# Altium PCB RFMC.PcbDoc (part 5 of 5)
Units mm, origin at the board's own origin, x right, y up, seen from the top; angles counter-clockwise.
Board outline 79.47 x 143.38 mm, 8 copper layers (Top Layer, Layer 1, Layer 2, Layer 3, Layer 4, Layer 5, Layer 6, Bottom Layer), stack 1.644 mm thick; 295 components, 245 nets, 1444 pads, 1952 vias.
Unrouted connection lines stored in the file: 1.
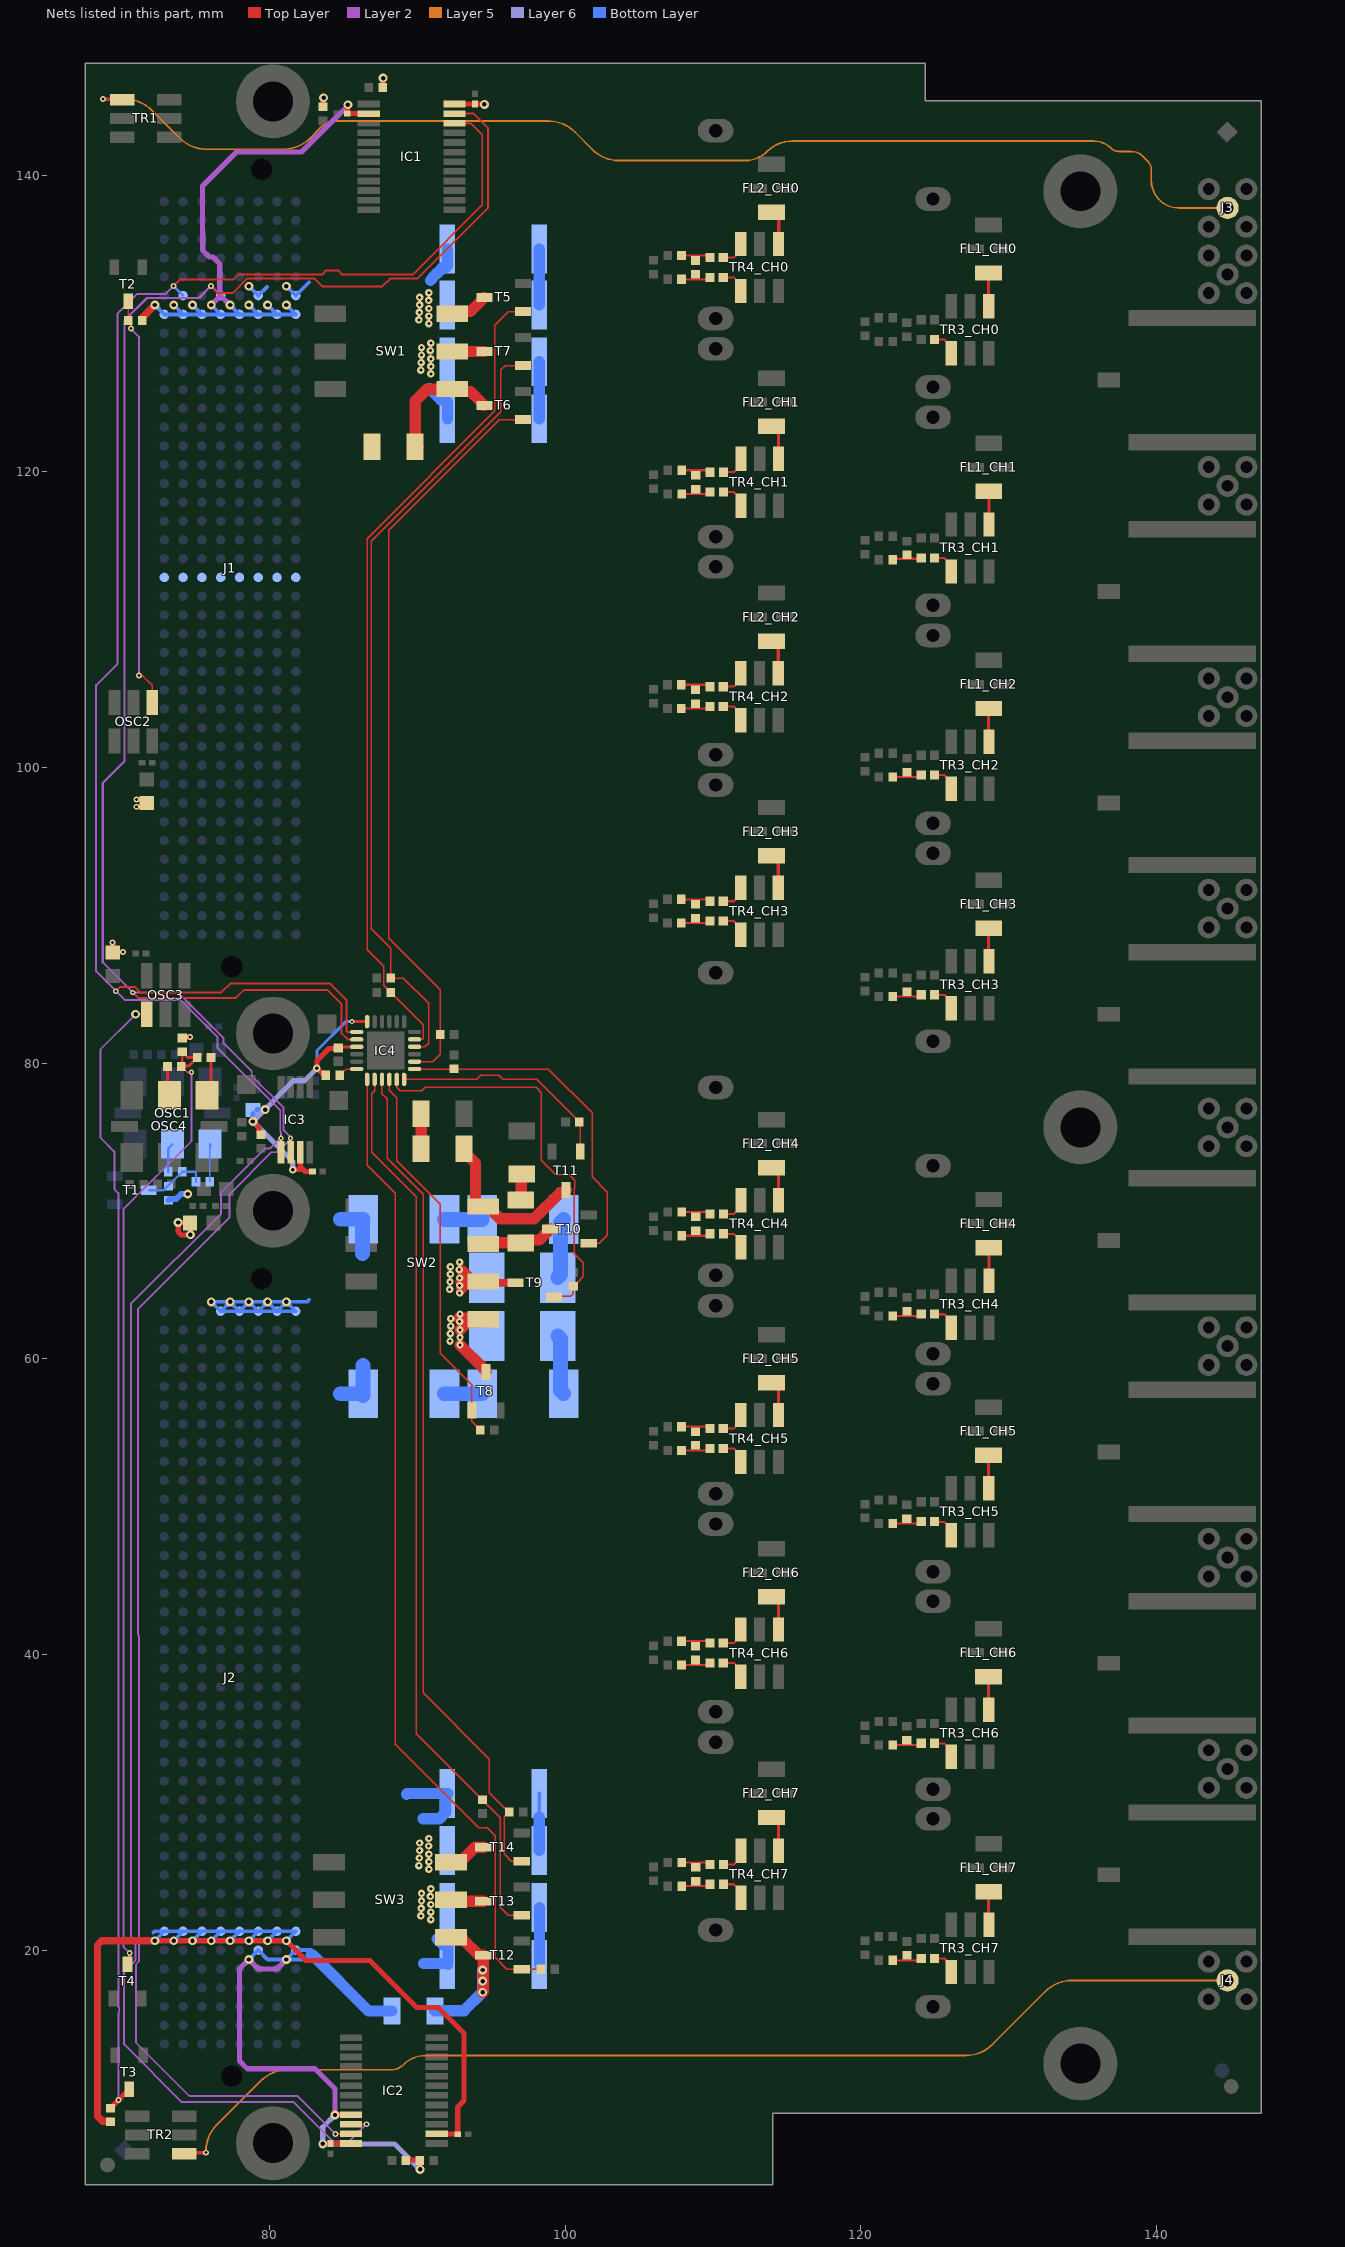
[diagram p11: the nets of this part, all layers, seen from the top]

## Via types
v1: diameter 0.48, hole 0.25, Top Layer to Bottom Layer, tented both sides, 1389 vias
v2: diameter 0.6, hole 0.3, Top Layer to Bottom Layer, tented both sides, 219 vias
v3: diameter 0.5, hole 0.2, Top Layer to Bottom Layer, tented both sides, 162 vias
v4: diameter 0.35, hole 0.15, Top Layer to Bottom Layer, tented both sides, 106 vias
v5: diameter 0.4, hole 0.2, Top Layer to Bottom Layer, tented both sides, 67 vias
v6: diameter 0.5, hole 0.25, Top Layer to Bottom Layer, tented both sides, 9 vias

## Nets (pads, with @x,y where several pads share a name; then routed paths per layer and width w, separated by ;. In a path a pad name is that pad's centre, name@x,y a point inside that pad or via, vN(x,y) a via of type N, cw(c..) or ccw(c..) an arc to the next point about the centre after c; other vN are vias at no path point) (continued)
NetC22_CH0_2: C22_CH0.2 TR3_CH0.3 | length 1.8
  Top Layer w0.14: C22_CH0.2@124.97,128.895 125.64,128.895 126.105,128.43 126.105,128.126 TR3_CH0.3@126.105,127.985
NetC22_CH1_1: C22_CH1.1 R18_CH1.1 R20_CH1.2 | length 1.9
  Top Layer w0.14: R20_CH1.2@122.165,114.09 C22_CH1.1@124.095,114.09
NetC22_CH1_2: C22_CH1.2 TR3_CH1.3 | length 1.8
  Top Layer w0.14: C22_CH1.2@124.975,114.135 125.645,114.135 126.11,113.67 126.11,113.366 TR3_CH1.3@126.11,113.225
NetC22_CH2_1: C22_CH2.1 R18_CH2.1 R20_CH2.2 | length 1.9
  Top Layer w0.14: R20_CH2.2@122.15,99.34 C22_CH2.1@124.08,99.34
NetC22_CH2_2: C22_CH2.2 TR3_CH2.3 | length 1.8
  Top Layer w0.14: C22_CH2.2@124.975,99.46 125.645,99.46 126.11,98.995 126.11,98.691 TR3_CH2.3@126.11,98.55
NetC22_CH3_1: C22_CH3.1 R18_CH3.1 R20_CH3.2 | length 1.9
  Top Layer w0.14: R20_CH3.2@122.15,84.49 C22_CH3.1@124.08,84.49
NetC22_CH3_2: C22_CH3.2 TR3_CH3.3 | length 1.8
  Top Layer w0.14: C22_CH3.2@124.975,84.61 125.645,84.61 126.11,84.145 126.11,83.841 TR3_CH3.3@126.11,83.7
NetC22_CH4_1: C22_CH4.1 R18_CH4.1 R20_CH4.2 | length 1.9
  Top Layer w0.14: R20_CH4.2@122.15,62.905 C22_CH4.1@124.08,62.905
NetC22_CH4_2: C22_CH4.2 TR3_CH4.3 | length 1.8
  Top Layer w0.14: C22_CH4.2@124.975,63.025 125.645,63.025 126.11,62.56 126.11,62.256 TR3_CH4.3@126.11,62.115
NetC22_CH5_1: C22_CH5.1 R18_CH5.1 R20_CH5.2 | length 1.9
  Top Layer w0.14: R20_CH5.2@122.145,48.875 C22_CH5.1@124.075,48.875
NetC22_CH5_2: C22_CH5.2 TR3_CH5.3 | length 1.8
  Top Layer w0.14: C22_CH5.2@124.97,48.995 125.64,48.995 126.105,48.53 126.105,48.226 TR3_CH5.3@126.105,48.085
NetC22_CH6_1: C22_CH6.1 R18_CH6.1 R20_CH6.2 | length 1.9
  Top Layer w0.14: R20_CH6.2@122.145,33.9 C22_CH6.1@124.075,33.9
NetC22_CH6_2: C22_CH6.2 TR3_CH6.3 | length 1.8
  Top Layer w0.14: C22_CH6.2@124.97,34.02 125.64,34.02 126.105,33.555 126.105,33.251 TR3_CH6.3@126.105,33.11
NetC22_CH7_1: C22_CH7.1 R18_CH7.1 R20_CH7.2 | length 1.9
  Top Layer w0.14: R20_CH7.2@122.15,19.355 C22_CH7.1@124.08,19.355
NetC22_CH7_2: C22_CH7.2 TR3_CH7.3 | length 1.9
  Top Layer w0.1: C22_CH7.2@124.98,19.355 C22_CH7.2@125.041,19.294
  Top Layer w0.14: C22_CH7.2@124.975,19.475 125.645,19.475 126.11,19.01 126.11,18.706 TR3_CH7.3@126.11,18.565
NetC23_CH0_1: C23_CH0.1 R21_CH0.2 R22_CH0.2 | length 1.9
  Top Layer w0.14: R21_CH0.2@107.87,134.575 C23_CH0.1@109.8,134.575
NetC23_CH0_2: C23_CH0.2 TR4_CH0.4 | length 1.8
  Top Layer w0.14: C23_CH0.2@110.695,134.445 111.405,134.445 111.88,134.92 TR4_CH0.4@111.88,135.365
NetC23_CH1_1: C23_CH1.1 R21_CH1.2 R22_CH1.2 | length 1.9
  Top Layer w0.14: R21_CH1.2@107.875,120.07 C23_CH1.1@109.805,120.07
NetC23_CH1_2: C23_CH1.2 TR4_CH1.4 | length 1.8
  Top Layer w0.14: C23_CH1.2@110.7,119.94 111.41,119.94 111.885,120.415 TR4_CH1.4@111.885,120.86
NetC23_CH2_1: C23_CH2.1 R21_CH2.2 R22_CH2.2 | length 1.9
  Top Layer w0.14: R21_CH2.2@107.865,105.57 108.82,105.57 C23_CH2.1@109.795,105.57
NetC23_CH2_2: C23_CH2.2 TR4_CH2.4 | length 1.8
  Top Layer w0.14: C23_CH2.2@110.69,105.44 111.4,105.44 111.875,105.915 TR4_CH2.4@111.875,106.36
NetC23_CH3_1: C23_CH3.1 R21_CH3.2 R22_CH3.2 | length 1.9
  Top Layer w0.14: R21_CH3.2@107.865,91.07 C23_CH3.1@109.795,91.07
NetC23_CH3_2: C23_CH3.2 TR4_CH3.4 | length 1.8
  Top Layer w0.14: C23_CH3.2@110.69,90.94 111.4,90.94 111.875,91.415 TR4_CH3.4@111.875,91.86
NetC23_CH4_1: C23_CH4.1 R21_CH4.2 R22_CH4.2 | length 1.9
  Top Layer w0.14: R21_CH4.2@107.875,69.93 C23_CH4.1@109.805,69.93
NetC23_CH4_2: C23_CH4.2 TR4_CH4.4 | length 1.8
  Top Layer w0.14: C23_CH4.2@110.7,69.8 111.41,69.8 111.885,70.275 TR4_CH4.4@111.885,70.72
NetC23_CH5_1: C23_CH5.1 R21_CH5.2 R22_CH5.2 | length 1.9
  Top Layer w0.14: R21_CH5.2@107.87,55.425 C23_CH5.1@109.8,55.425
NetC23_CH5_2: C23_CH5.2 TR4_CH5.4 | length 1.8
  Top Layer w0.14: C23_CH5.2@110.695,55.295 111.405,55.295 111.88,55.77 TR4_CH5.4@111.88,56.215
NetC23_CH6_1: C23_CH6.1 R21_CH6.2 R22_CH6.2 | length 1.9
  Top Layer w0.14: R21_CH6.2@107.87,40.925 C23_CH6.1@109.8,40.925
NetC23_CH6_2: C23_CH6.2 TR4_CH6.4 | length 1.8
  Top Layer w0.14: C23_CH6.2@110.695,40.795 111.405,40.795 111.88,41.27 TR4_CH6.4@111.88,41.715
NetC23_CH7_1: C23_CH7.1 R21_CH7.2 R22_CH7.2 | length 1.9
  Top Layer w0.14: R21_CH7.2@107.875,25.965 C23_CH7.1@109.805,25.965
NetC23_CH7_2: C23_CH7.2 TR4_CH7.4 | length 1.8
  Top Layer w0.14: C23_CH7.2@110.7,25.835 111.41,25.835 111.885,26.31 TR4_CH7.4@111.885,26.755
NetC24_CH0_1: C24_CH0.1 R22_CH0.1 R24_CH0.2 | length 1.9
  Top Layer w0.14: R24_CH0.2@107.87,132.975 108.825,132.975 C24_CH0.1@109.8,132.975
NetC24_CH0_2: C24_CH0.2 TR4_CH0.3 | length 1.8
  Top Layer w0.14: C24_CH0.2@110.695,133.105 111.405,133.105 111.88,132.63 TR4_CH0.3@111.88,132.185
NetC24_CH1_1: C24_CH1.1 R22_CH1.1 R24_CH1.2 | length 1.9
  Top Layer w0.14: R24_CH1.2@107.875,118.47 108.83,118.47 C24_CH1.1@109.805,118.47
NetC24_CH1_2: C24_CH1.2 TR4_CH1.3 | length 1.8
  Top Layer w0.14: C24_CH1.2@110.7,118.6 111.41,118.6 111.885,118.125 TR4_CH1.3@111.885,117.68
NetC24_CH2_1: C24_CH2.1 R22_CH2.1 R24_CH2.2 | length 1.9
  Top Layer w0.14: R24_CH2.2@107.865,103.97 108.82,103.97 C24_CH2.1@109.795,103.97
NetC24_CH2_2: C24_CH2.2 TR4_CH2.3 | length 1.8
  Top Layer w0.14: C24_CH2.2@110.69,104.1 111.4,104.1 111.875,103.625 TR4_CH2.3@111.875,103.18
NetC24_CH3_1: C24_CH3.1 R22_CH3.1 R24_CH3.2 | length 1.9
  Top Layer w0.14: R24_CH3.2@107.865,89.47 108.82,89.47 C24_CH3.1@109.795,89.47
NetC24_CH3_2: C24_CH3.2 TR4_CH3.3 | length 1.8
  Top Layer w0.14: C24_CH3.2@110.69,89.6 111.4,89.6 111.875,89.125 TR4_CH3.3@111.875,88.68
NetC24_CH4_1: C24_CH4.1 R22_CH4.1 R24_CH4.2 | length 1.9
  Top Layer w0.14: R24_CH4.2@107.875,68.33 C24_CH4.1@109.805,68.33
NetC24_CH4_2: C24_CH4.2 TR4_CH4.3 | length 1.8
  Top Layer w0.14: C24_CH4.2@110.7,68.46 111.41,68.46 111.885,67.985 TR4_CH4.3@111.885,67.54
NetC24_CH5_1: C24_CH5.1 R22_CH5.1 R24_CH5.2 | length 1.9
  Top Layer w0.14: R24_CH5.2@107.87,53.825 108.825,53.825 C24_CH5.1@109.8,53.825
NetC24_CH5_2: C24_CH5.2 TR4_CH5.3 | length 1.8
  Top Layer w0.14: C24_CH5.2@110.695,53.955 111.405,53.955 111.88,53.48 TR4_CH5.3@111.88,53.035
NetC24_CH6_1: C24_CH6.1 R22_CH6.1 R24_CH6.2 | length 1.9
  Top Layer w0.14: R24_CH6.2@107.87,39.325 108.825,39.325 C24_CH6.1@109.8,39.325
NetC24_CH6_2: C24_CH6.2 TR4_CH6.3 | length 1.8
  Top Layer w0.14: C24_CH6.2@110.695,39.455 111.405,39.455 111.88,38.98 TR4_CH6.3@111.88,38.535
NetC24_CH7_1: C24_CH7.1 R22_CH7.1 R24_CH7.2 | length 1.9
  Top Layer w0.14: R24_CH7.2@107.875,24.365 108.83,24.365 C24_CH7.1@109.805,24.365
NetC24_CH7_2: C24_CH7.2 TR4_CH7.3 | length 1.8
  Top Layer w0.14: C24_CH7.2@110.7,24.495 111.41,24.495 111.885,24.02 TR4_CH7.3@111.885,23.575
NetFL1_CH0_1: FL1_CH0.1 TR3_CH0.6 | length 2.2
  Top Layer w0.218: FL1_CH0.1@128.625,133.4 128.625,131.185 ccw(c128.645,131.185) TR3_CH0.6@128.645,131.165
NetFL1_CH1_1: FL1_CH1.1 TR3_CH1.6 | length 2.2
  Top Layer w0.218: FL1_CH1.1@128.63,118.64 cw(c128.63,118.62) 128.65,118.62 TR3_CH1.6@128.65,116.405
NetFL1_CH2_1: FL1_CH2.1 TR3_CH2.6 | length 2.2
  Top Layer w0.218: FL1_CH2.1@128.63,103.965 128.63,101.75 ccw(c128.65,101.75) TR3_CH2.6@128.65,101.73
NetFL1_CH3_1: FL1_CH3.1 TR3_CH3.6 | length 2.2
  Top Layer w0.218: FL1_CH3.1@128.63,89.115 128.63,86.9 ccw(c128.65,86.9) TR3_CH3.6@128.65,86.88
NetFL1_CH4_1: FL1_CH4.1 TR3_CH4.6 | length 2.2
  Top Layer w0.218: FL1_CH4.1@128.63,67.53 cw(c128.63,67.51) 128.65,67.51 TR3_CH4.6@128.65,65.295
NetFL1_CH5_1: FL1_CH5.1 TR3_CH5.6 | length 2.3
  Top Layer w0.218: FL1_CH5.1@128.625,53.5 128.625,51.265 TR3_CH5.6@128.645,51.265
NetFL1_CH6_1: FL1_CH6.1 TR3_CH6.6 | length 2.2
  Top Layer w0.218: FL1_CH6.1@128.625,38.525 128.625,36.31 ccw(c128.645,36.31) TR3_CH6.6@128.645,36.29
NetFL1_CH7_1: FL1_CH7.1 TR3_CH7.6 | length 2.2
  Top Layer w0.218: FL1_CH7.1@128.63,23.98 128.63,21.765 ccw(c128.65,21.765) TR3_CH7.6@128.65,21.745
NetFL2_CH0_1: FL2_CH0.1 TR4_CH0.6 | length 2.5
  Top Layer w0.218: FL2_CH0.1@113.95,137.5 cw(c113.95,137) 114.45,137 114.45,135.335 ccw(c114.42,135.335) TR4_CH0.6@114.42,135.365
NetFL2_CH1_1: FL2_CH1.1 TR4_CH1.6 | length 2.5
  Top Layer w0.218: FL2_CH1.1@113.95,123.05 cw(c113.95,122.575) 114.425,122.575 TR4_CH1.6@114.425,120.86
NetFL2_CH2_1: FL2_CH2.1 TR4_CH2.6 | length 2.4
  Top Layer w0.218: FL2_CH2.1@113.95,108.525 cw(c113.95,108.06) 114.415,108.06 TR4_CH2.6@114.415,106.36
NetFL2_CH3_1: FL2_CH3.1 TR4_CH3.6 | length 2.4
  Top Layer w0.218: FL2_CH3.1@113.95,94.025 cw(c113.95,93.56) 114.415,93.56 TR4_CH3.6@114.415,91.86
NetFL2_CH4_1: FL2_CH4.1 TR4_CH4.6 | length 2.5
  Top Layer w0.218: FL2_CH4.1@113.95,72.925 cw(c113.95,72.45) 114.012,72.921 cw(c113.95,72.45) 114.421,72.512 cw(c113.95,72.45) 114.425,72.45 TR4_CH4.6@114.425,70.72
NetFL2_CH5_1: FL2_CH5.1 TR4_CH5.6 | length 2.7
  Top Layer w0.218: FL2_CH5.1@113.95,58.4 114.42,58.4 TR4_CH5.6@114.42,56.215
NetFL2_CH6_1: FL2_CH6.1 TR4_CH6.6 | length 2.5
  Top Layer w0.218: FL2_CH6.1@113.95,43.925 cw(c113.95,43.455) 114.42,43.455 TR4_CH6.6@114.42,41.715
NetFL2_CH7_1: FL2_CH7.1 TR4_CH7.6 | length 2.5
  Top Layer w0.218: FL2_CH7.1@113.95,29.01 cw(c113.95,28.535) 114.425,28.535 TR4_CH7.6@114.425,26.755
NetIC4_24: IC4.24 R60.2 | length 1.3
  Top Layer w0.093: R60.2@84.77,79.175 84.77,79.195 85.013,79.438 85.033,79.438 85.195,79.6 IC4.24@85.925,79.6
NetJ3_1: J3.1 TR1.6 | length 82.9
  Top Layer w0.218: v5(68.775,145.15) 70.03,145.15 cw(c70.03,145.12) TR1.6@70.06,145.12
  Layer 5 w0.118: v5(68.775,145.15) 70.273,145.15 cw(c70.273,142.61) 72.069,144.406 73.956,142.519 ccw(c75.752,144.315) 75.752,141.775 80.973,141.775 ccw(c80.973,144.315) 82.769,142.519 83.525,143.275 cw(c84.491,142.309) 84.491,143.675 98.873,143.675 cw(c98.873,141.135) 100.669,142.931 101.856,141.744 ccw(c103.652,143.54) 103.652,141 112.166,141 ccw(c112.166,143.134) 113.675,141.625 cw(c115.365,139.935) 115.365,142.325 135.718,142.325 cw(c135.718,140.618) 136.925,141.825 ccw(c137.42,142.32) 137.42,141.62 138.277,141.62 cw(c138.277,140.527) 139.05,141.3 139.36,140.99 cw(c138.72,140.35) 139.625,140.35 139.625,139.666 ccw(c141.491,139.666) 141.491,137.8 J3.1@144.78,137.8
NetJ4_1: J4.1 TR2.6 | length 75.5
  Top Layer w0.218: TR2.6@74.265,6.28 cw(c74.335,6.28) 74.335,6.35 v5(75.725,6.35)
  Layer 5 w0.118: v5(75.725,6.35) 75.725,6.448 cw(c78.265,6.448) 76.469,8.244 79.431,11.206 cw(c81.227,9.41) 81.043,11.943 cw(c81.227,9.41) 81.227,11.95 88.23,11.95 ccw(c88.23,13.145) 89.075,12.3 cw(c90.584,10.791) 90.584,12.925 127.098,12.925 ccw(c127.098,15.465) 128.894,13.669 132.477,17.252 cw(c134.273,15.456) 134.273,17.996 J4.1@144.78,17.996
NetOSC1_1: OSC1.1 R4.1 | length 2.8
  Bottom Layer w0.1: R4.1@75.995,71.975 75.995,74.505 OSC1.1@76.015,74.525
  Bottom Layer w0.15: OSC1.1@76.015,74.3 OSC1.1@76.015,74.525
NetOSC1_2: OSC1.2 R7.1 | length 2
  Bottom Layer w0.15: R7.1@73.175,72.65 73.175,74.225 OSC1.2@73.475,74.525
NetOSC2_1: OSC2.1 R8.2 T2.3 | length 27.9
  Top Layer w0.127: T2.3@70.476,131.5 70.476,130.2 70.65,130.026 v5(70.65,129.65) ; v5(71.2,106.2) 71.237,106.163 71.462,106.163 72.095,105.53 OSC2.1@72.095,104.375
  Layer 2 w0.127: v5(70.65,129.65) 71.2,129.1 v5(71.2,106.2)
NetOSC3_1: OSC3.1 R9.2 T3.3 | length 77.6
  Top Layer w0.127: v2(70.975,83.3) OSC3.1@71.73,83.3
  Top Layer w0.35: R9.2@69.275,9.37 69.295,9.37 69.41,9.485 69.41,9.505 v5(69.808,9.902) 70.205,10.3 70.4,10.3 70.55,10.45 T3.3@70.55,10.65
  Layer 2 w0.127: v5(69.808,9.902) 69.808,15.793 69.864,15.849 69.864,16.151 69.808,16.207 69.808,71.212 69.537,71.483 69.537,74.013 68.6,74.95 68.6,80.925 v2(70.975,83.3)
NetOSC4_1: OSC4.1 R13.1 | length 2.7
  Top Layer w0.2: OSC4.1@75.79,77.825 76.07,78.105 R13.1@76.07,80.375
NetOSC4_2: OSC4.2 R16.1 | length 2
  Top Layer w0.2: R16.1@73.13,79.775 73.13,77.945 OSC4.2@73.25,77.825
NetR3_2: R3.2 R4.2 R7.2 T1.3 | length 4.3
  Bottom Layer w0.15: T1.3@71.875,71.4 72.865,71.4 73.88,72.415 73.9,72.415 74.115,72.63 R7.2@74.115,72.65 74.97,72.65 75.055,72.565 R4.2@75.055,71.975
NetR12_2: R12.2 R13.2 R16.2 T4.3 | length 66.8
  Top Layer w0.127: R16.2@74.07,79.775 74.07,79.755 74.296,79.528 74.316,79.528 74.47,79.375 v4(74.75,79.375)
  Top Layer w0.2: T4.3@70.425,19.075 70.575,19.225 v5(70.575,19.85) ; R16.2@74.07,79.775 R16.2@74.083,79.788 ; R16.2@74.083,79.788 74.125,79.83 R12.2@74.125,80.755 74.145,80.755 74.335,80.565 74.335,80.545 74.505,80.375 R13.2@75.13,80.375 75.13,80.355 74.94,80.165 74.92,80.165 74.543,79.788 R16.2@74.083,79.788
  Layer 2 w0.127: v5(70.575,19.85) 70.15,20.275 70.15,70.125 74.75,74.725 v4(74.75,79.375)
NetR30_2: R30.2 R31.1 | length 2.5
  Bottom Layer w1: R30.2@91.85,57.65 R31.1@94.4,57.65
NetR31_2: R31.2 R32.1 | length 4.1
  Bottom Layer w1: R32.1@99.5,61.55 99.7,61.35 99.7,57.85 R31.2@99.9,57.65
NetR32_2: R32.2 SW2.1 T8.3 | length 6.1
  Top Layer w0.762: 92.85,62.775 94.39,62.775 SW2.1@94.475,62.69 94.306,62.521 93.455,62.521 v3(92.9,61.966) ; v3(92.9,60.95) 94.476,59.375 94.488,59.375 94.65,59.213 T8.3@94.65,59.125
  other v3: 92.224,61.201 92.9,61.458 92.25,61.709 92.275,62.217 92.875,62.525 92.275,62.725 92.9,63.033
NetR33_2: R33.2 R34.1 | length 2.6
  Bottom Layer w1: R33.2@91.85,69.45 91.875,69.425 R34.1@94.4,69.425
NetR34_2: R34.2 R35.1 | length 4.1
  Bottom Layer w1: R35.1@99.5,65.5 99.7,65.7 99.7,69.225 R34.2@99.9,69.425
NetR35_2: R35.2 SW2.2 T9.3 | length 7.9
  Top Layer w0.5: v3@93.013,64.875 92.875,64.737 v3(92.875,64.459) 93.346,64.93 93.805,64.93 94.05,65.175 94,65.225 93.695,65.53 93.65,65.53 93.475,65.705 93.475,65.724 93.124,66.075 92.975,66.075 92.975,65.605 93.013,65.567 93.291,65.567 ; SW2.2@94.475,65.23 94.555,65.15 T9.3@96.65,65.15
  Top Layer w0.762: 92.975,65.225 94,65.225 94.47,65.225 SW2.2@94.475,65.23
  other v3: 92.199,64.71 92.875,64.967 92.224,65.218 92.875,65.475 92.25,65.726 92.85,66.034 92.25,66.234 92.875,66.542
NetR37_2: R37.2 SW1.1 T6.3 | length 8.7
  Top Layer w0.76: R37.2@90.075,121.65 89.88,121.845 89.88,122.61 89.875,122.615 89.875,124.75 90.671,125.546 92.361,125.546 SW1.1@92.375,125.56 92.545,125.39 93.61,125.39 94.38,124.62 94.38,124.53 94.46,124.45 T6.3@94.55,124.45
NetR38_2: R38.2 SW3.1 T12.3 | length 10.4
  Top Layer w0.76: SW3.1@92.3,20.91 92.47,20.74 93.141,20.74 94.181,19.7 T12.3@94.475,19.7 94.475,18.7 94.475,17.245 v2(94.425,17.195)
  Bottom Layer w0.76: R38.2@91.2,15.95 93.18,15.95 v2(94.425,17.195) v2(94.425,17.948) v2(94.425,18.7)
NetR39_2: R39.2 R40.1 | length 1.8
  Top Layer w0.76: R40.1@97,70.75 97.037,70.787 97.037,72.462 R39.2@97.075,72.5
NetR40_2: R40.2 SW2.3 T10.3 | length 5
  Top Layer w0.5: SW2.3@94.475,67.77 SW2.3@94.555,67.85
  Top Layer w0.76: SW2.3@94.555,67.85 R40.2@97,67.85 97.195,68.045 98.27,68.045 98.83,68.605 98.83,68.695 98.91,68.775 T10.3@99,68.775
NetR41_2: R41.2 R42.1 | length 2.4
  Top Layer w0.76: R42.1@90.275,74.2 R41.2@90.275,76.575
NetR42_2: R42.2 SW2.4 T11.3 | length 11.7
  Top Layer w0.76: R42.2@93.175,74.2 93.175,73.875 93.37,73.68 93.505,73.68 93.95,73.235 93.95,70.48 94.12,70.31 95,70.31 95.17,70.14 95.17,69.92 95.615,69.475 97.9,69.475 99.68,71.255 99.995,71.255 99.995,71.345 T11.3@100.075,71.425
NetR43_2: R43.2 R44.1 | length 3.9
  Bottom Layer w0.76: R43.2@98.25,123.55 R44.1@98.25,127.4
NetR44_2: R44.2 SW1.2 T7.3 | length 2.2
  Top Layer w0.76: SW1.2@92.375,128.1 T7.3@94.55,128.1
  other v3: 90.925,126.584 90.249,126.835 90.925,127.092 90.274,127.343 90.925,127.6 90.3,127.851 90.9,128.159 90.3,128.359 90.925,128.667
NetR45_2: R45.2 R46.1 | length 3.8
  Bottom Layer w0.76: R46.1@98.25,131.25 R45.2@98.25,135.025
NetR46_2: R46.2 SW1.3 T5.3 | length 2.7
  Top Layer w0.76: SW1.3@92.375,130.64 92.545,130.81 93.61,130.81 94.38,131.58 94.38,131.67 94.46,131.75 T5.3@94.55,131.75
  other v3: 90.8,129.984 90.124,130.235 90.8,130.492 90.149,130.743 90.8,131 90.175,131.251 90.775,131.559 90.175,131.759 90.8,132.067
NetR47_2: R47.2 R48.1 | length 3.9
  Bottom Layer w0.76: R47.2@98.275,19.075 R48.1@98.275,22.925
NetR48_2: R48.2 SW3.2 T13.3 | length 2.2
  Top Layer w0.76: SW3.2@92.3,23.45 92.4,23.35 T13.3@94.475,23.35
  other v3: 90.925,22.109 90.249,22.36 90.925,22.617 90.274,22.868 90.925,23.125 90.3,23.376 90.9,23.684 90.3,23.884 90.925,24.192
NetR49_2: R49.2 R50.1 | length 3.9
  Bottom Layer w0.254: R49.2@98.25,29.05 98.25,30.6 R49.2@98.275,30.625
  Bottom Layer w0.76: R49.2@98.25,29.05 98.25,26.8 R50.1@98.275,26.775
NetR50_2: R50.2 SW3.3 T14.3 | length 2.6
  Top Layer w0.76: SW3.3@92.3,25.99 92.47,26.16 93.085,26.16 93.925,27 T14.3@94.475,27
  other v3: 90.8,25.509 90.124,25.76 90.8,26.017 90.149,26.268 90.8,26.525 90.175,26.776 90.775,27.084 90.175,27.284 90.8,27.592
P1V8: C7.2 C17.2 IC1.24 IC2.21 IC2.24 J1.a6 J1.c6 J2.a35 J2.c35 R1.1 R2.1 R10.1 R11.1 R37.1 R38.1 | length 53.4
  Top Layer w0.35: v2@83.65,6.975 C17.2@84.15,6.975 IC2.24@85.525,6.975 ; R1.1@83.65,144.675 v2@83.65,145.225 ; v2@84.475,8.925 IC2.21@84.975,8.925 ; R2.1@87.675,146 v2@87.675,146.55 ; R10.1@89.245,5.825 89.27,5.85 90.16,5.85 R11.1@90.185,5.825 ; v2@90.175,5.25 R11.1@90.175,5.75 ; IC1.24@92.525,144.825 C7.2@93.9,144.825 ; C7.2@93.9,144.8 C7.2@93.975,144.875 ; C7.2@93.975,144.825 v2@94.525,144.825
  Layer 2 w0.35: v2(81.167,19.411) 80.532,18.775 79.275,18.775 79.2,18.85 79.188,18.85 v2(78.627,19.411) 78,18.783 78,12.55 78.525,12.025 83.1,12.025 84.45,10.675 v2(84.45,8.9)
  Layer 6 w0.35: v2(84.45,8.9) 83.625,8.075 v2(83.625,6.95) 88.475,6.95 v2(90.2,5.225)
  Bottom Layer w0.254: v2(78.627,19.411) J2.c35@79.262,20.046 79.897,19.411 v2(81.167,19.411) ; v2(78.627,132.511) J1.c6@79.262,131.876 79.85,132.463 79.85,132.475 ; v2(81.167,132.511) J1.a6@81.802,131.876 82.7,132.773 82.7,132.775 ; 82.85,19.411 v2(81.167,19.411) ; 82.85,20.046 J2.a35@81.802,20.046 v2(81.167,19.411)
  Bottom Layer w0.76: 82.85,19.7 82.95,19.7 86.725,15.925 R38.1@88.3,15.925
  other v2: 94.55,144.8 83.675,145.25 87.7,146.575
P3V3: C4.2 C6.2 C8.2 C16.2 IC1.2 IC2.2 IC3.3 IC4.18 IC4.21 J1.a7 J1.b7 J1.c7 J1.d7 J1.e7 J1.f7 J1.g7 J1.h7 J2.a34 J2.b34 J2.c34 J2.d34 J2.e34 J2.f34 J2.g34 J2.h34 L1.1 L2.1 L3.1 L4.1 R3.1 R8.1 R9.1 R12.1 R25.1 R43.1 R45.1 R47.1 R49.1 R60.1 | length 154
  Top Layer w0.2: 84.175,81 84.182,81.007 84.657,81.007 C8.2@84.675,81.025 84.75,81.1 IC4.21@85.925,81.1 ; v4(85.6,82.8) IC4.18@86.625,82.8
  Top Layer w0.35: L3.1@69.425,87.725 v5(69.425,88.15) ; L3.1@69.7,87.5 v5(70.125,87.5) ; v5(71.025,97.325) L2.1@71.45,97.325 ; v5(71.025,97.825) L2.1@71.45,97.825 ; v2(72.277,20.681) v2(73.547,20.681) v2(74.817,20.681) v2(76.087,20.681) v2(77.357,20.681) v2(78.627,20.681) v2(79.897,20.681) v2(81.167,20.681) 82.498,19.35 86.8,19.35 89.975,16.175 91.425,16.175 93.175,14.425 93.175,9.875 92.75,9.45 C16.2@92.75,7.6 92.725,7.625 IC2.2@91.325,7.625 ; L4.1@74.4,69.225 v2(73.85,69.225) 73.85,68.58 74.055,68.375 74.65,68.375 v2(74.675,68.4) 74.662,68.412 74.662,69.187 L4.1@74.65,69.2 ; v2(78.9,76.05) 79.315,75.635 79.315,75.285 79.43,75.17 R25.1@79.45,75.17 ; v6@81.629,72.771 v6(81.6,72.8) 82.298,72.8 ; IC3.3@82.1,73.975 82.12,73.955 82.12,72.978 82.298,72.8 ; C4.2@82.775,72.675 82.423,72.675 82.298,72.8 ; R60.1@83.83,79.175 83.83,79.195 83.715,79.31 83.565,79.31 v6(83.225,79.65) 83.225,80.175 84.045,80.995 84.645,80.995 C8.2@84.657,81.007 ; v2(85.325,144.775) 85.3,144.75 85.3,144.2 C6.2@85.275,144.175 IC1.2@86.725,144.175